# Altium PCB VM3300_V0.1.PcbDoc
Units mm, origin at the board's own origin, x right, y up, seen from the top; angles counter-clockwise.
Board outline 130.25 x 140.25 mm, 2 copper layers (Top Layer, Bottom Layer), stack 1.571 mm thick; 142 components, 93 nets, 442 pads, 76 vias.
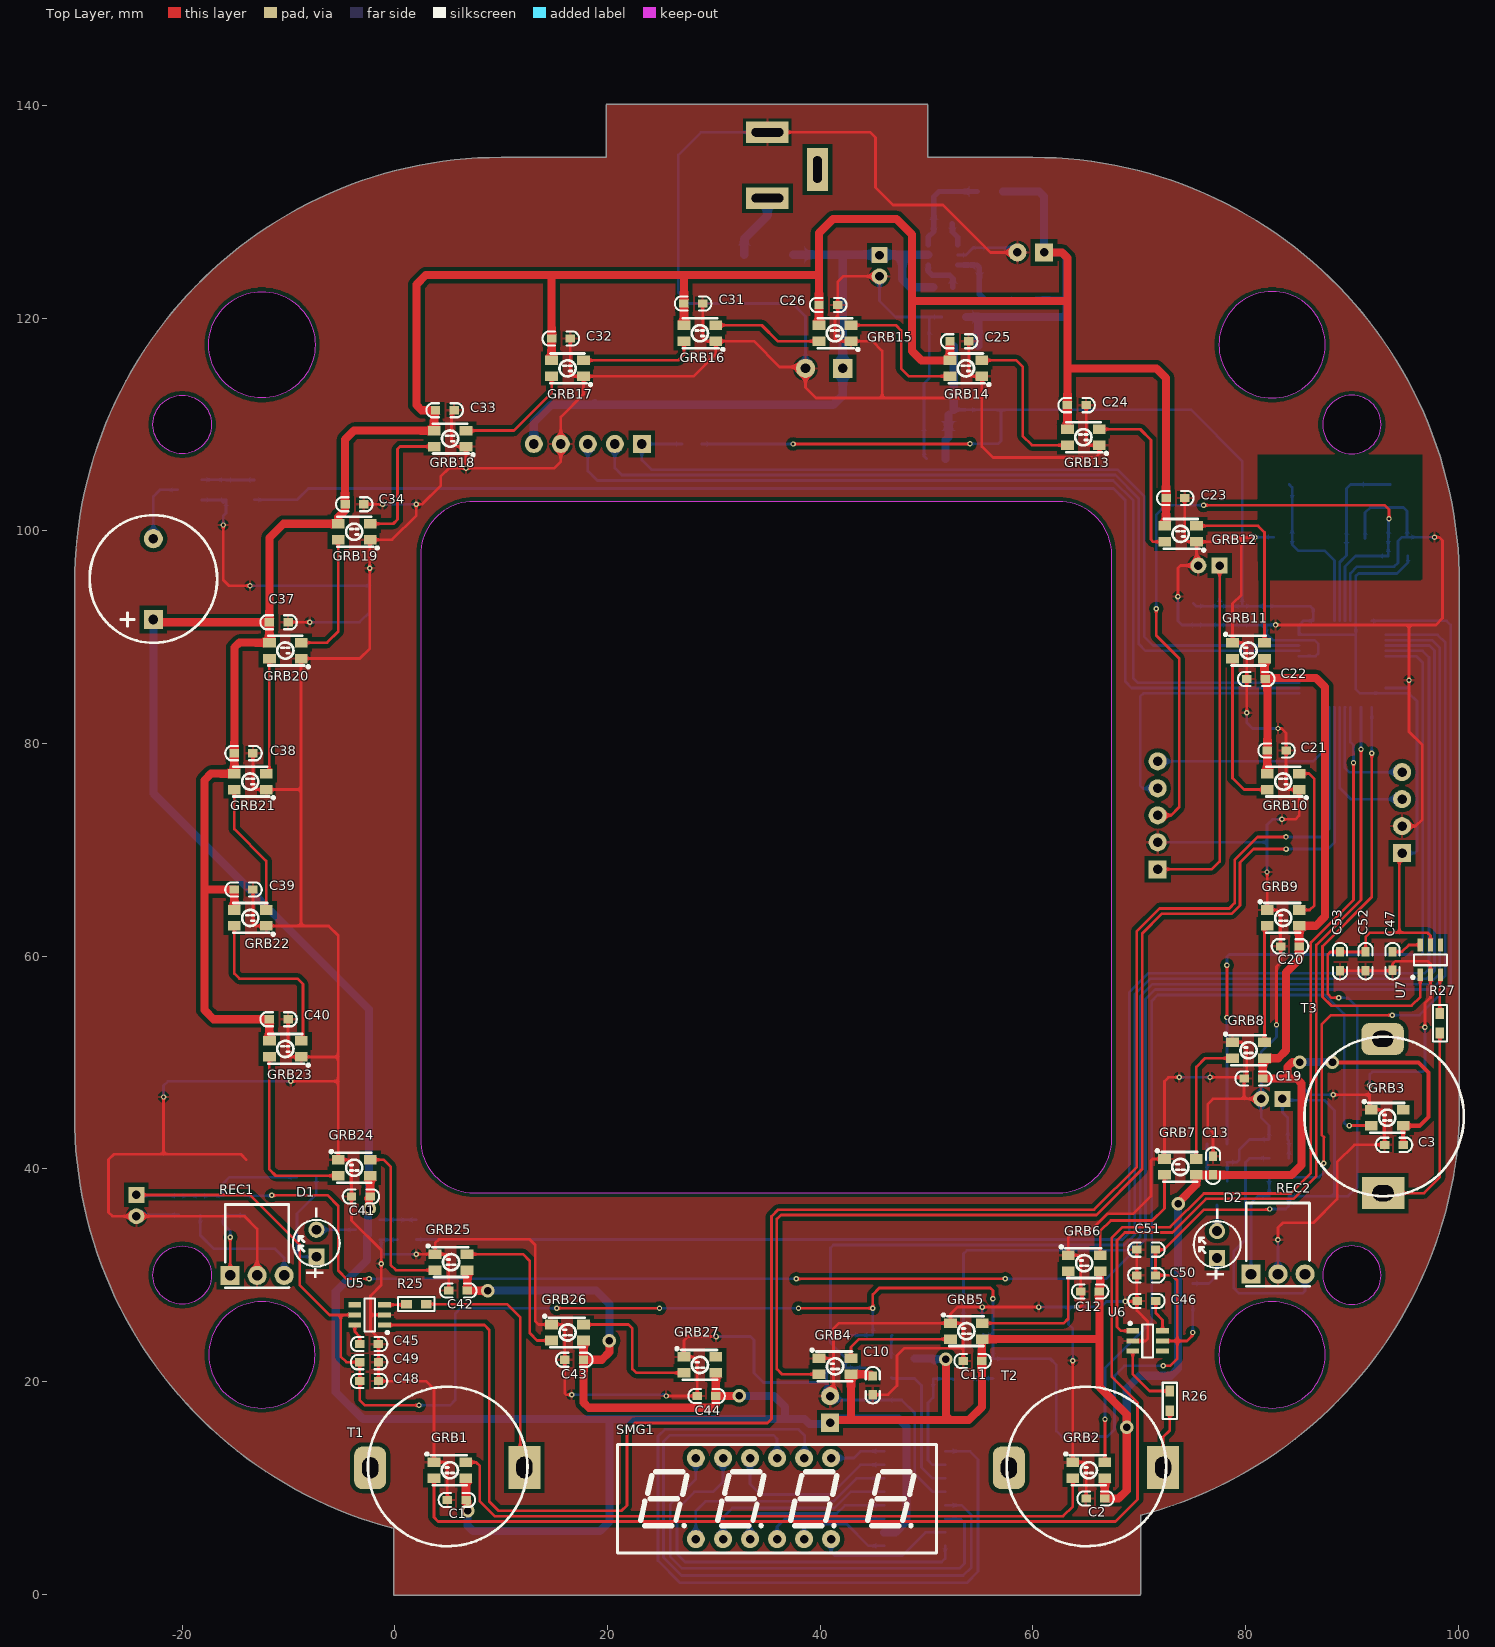
[diagram p0: Top Layer view]
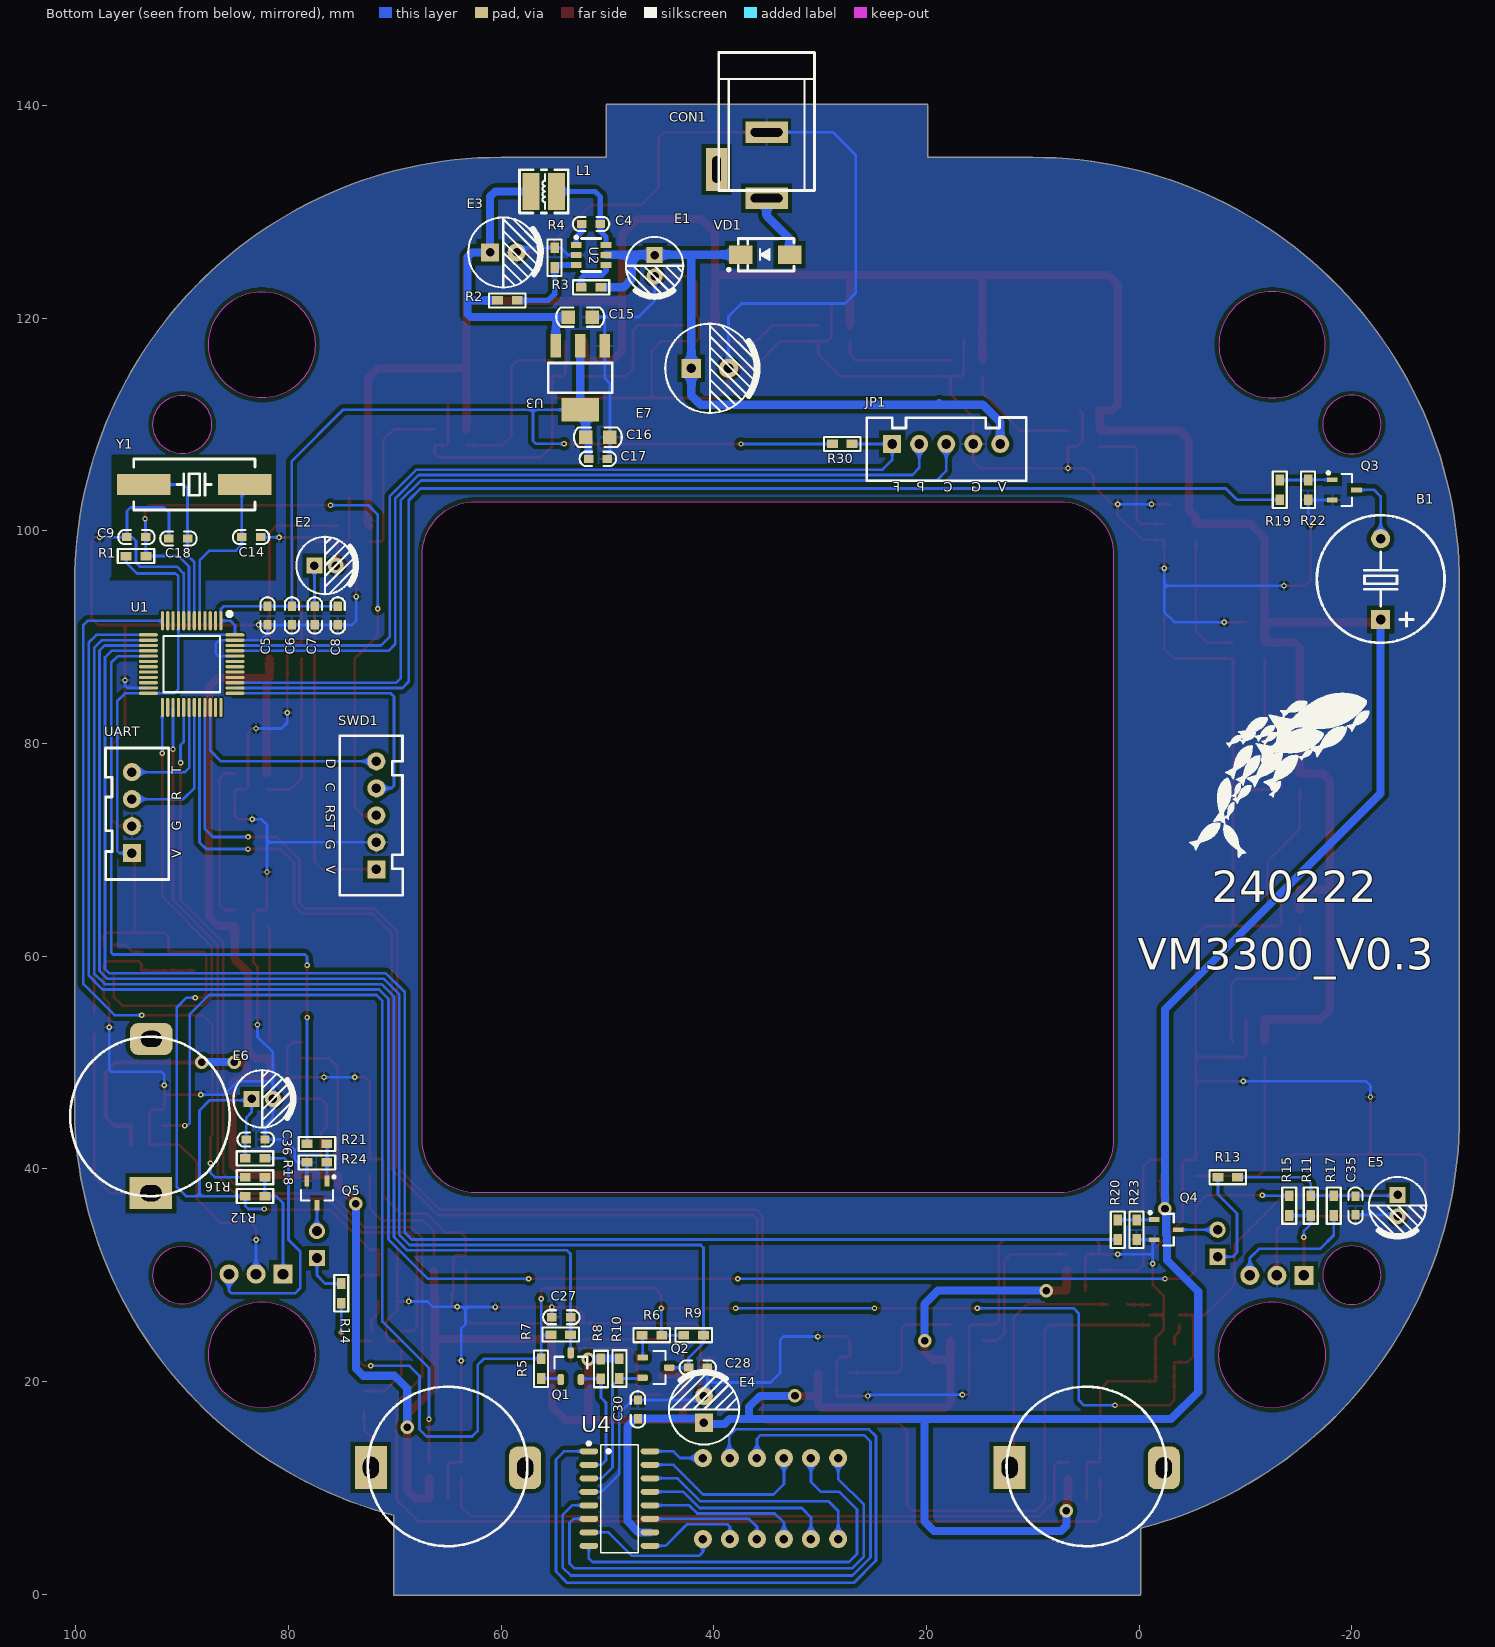
[diagram p1: Bottom Layer view, seen from below]
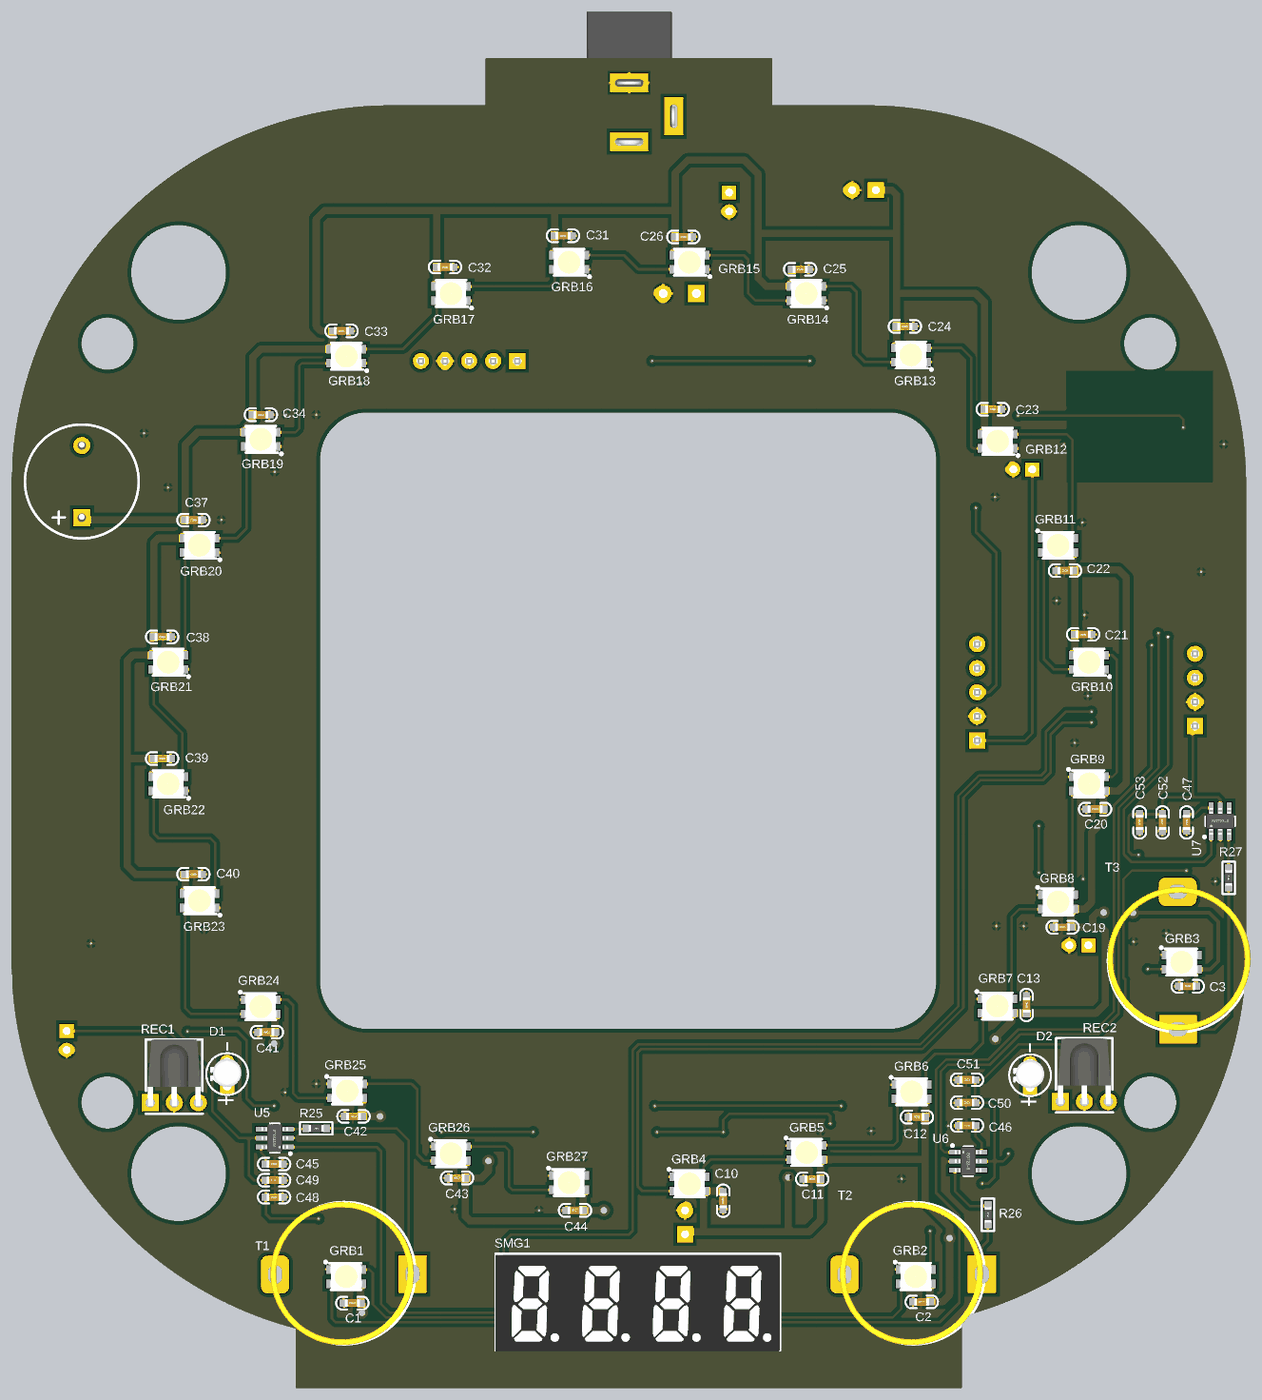
[diagram p2: 3D render of the assembled board from above, using the file's embedded part models]
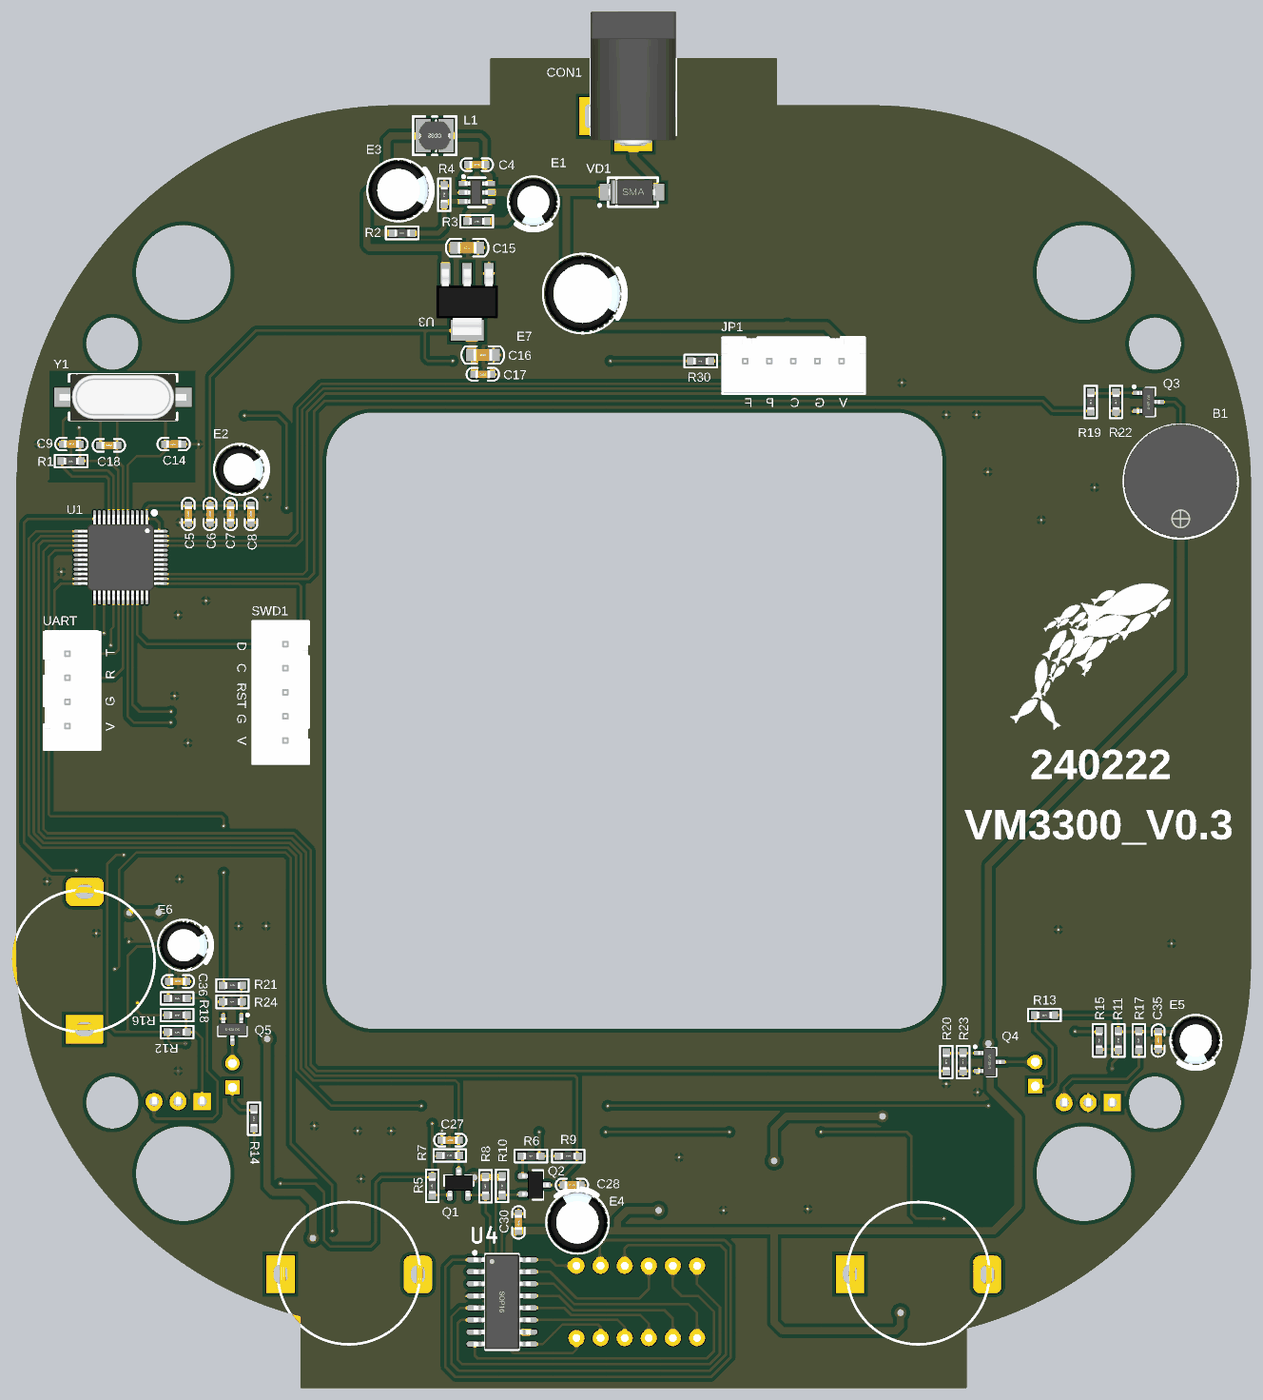
[diagram p3: 3D render of the assembled board from below, using the file's embedded part models]

## Layer stack, top to bottom
Top Solder: solder mask 0.0102, Solder Resist, Dk 3.5
Top Layer: signal copper 0.0356
Dielectric 1: dielectric 1.5, FR-4, Dk 4.8
Bottom Layer: signal copper 0.0356
Bottom Solder: solder mask 0.0102, Solder Resist, Dk 3.5

## Board outline
-0.127,6.172 cw(c10,45) -30.127,45 -30.127,95 cw(c10,95) 10,135.127 cw(c10,135) 10.001,135.127 19.873,135.127 19.873,140 cw(c20,140) 20,140.127 50,140.127 cw(c50,140) 50.127,140 50.127,135.127 60,135.127 cw(c60,95) 100.127,95 100.127,44.543 cw(c100,44.543) 100.127,44.537 cw(c60.037,46.268) 70.127,7.43 70.127,0 cw(c70,0) 70,-0.127 0,-0.127 cw(c0,0) -0.127,0
cut-out: 77.5,22.5 ccw(c82.5,22.5) 82.5,17.5 ccw(c82.5,22.5) 87.5,22.5 ccw(c82.5,22.5) 82.5,27.5 ccw(c82.5,22.5)
cut-out: 87.25,110 ccw(c90,110) 90,107.25 ccw(c90,110) 92.75,110 ccw(c90,110) 90,112.75 ccw(c90,110)
cut-out: 77.5,117.5 ccw(c82.5,117.5) 82.5,112.5 ccw(c82.5,117.5) 87.5,117.5 ccw(c82.5,117.5) 82.5,122.5 ccw(c82.5,117.5)
cut-out: 87.25,30 ccw(c90,30) 90,27.25 ccw(c90,30) 92.75,30 ccw(c90,30) 90,32.75 ccw(c90,30)
cut-out: -20,27.25 cw(c-20,30) -22.75,30 cw(c-20,30) -20,32.75 cw(c-20,30) -17.25,30 cw(c-20,30)
cut-out: 2.423,42.756 ccw(c7.423,42.756) 7.423,37.756 62.423,37.756 ccw(c62.423,42.756) 67.423,42.756 67.423,97.756 ccw(c62.423,97.756) 62.423,102.756 7.423,102.756 ccw(c7.423,97.756) 2.423,97.756
cut-out: -12.5,112.5 cw(c-12.5,117.5) -17.5,117.5 cw(c-12.5,117.5) -12.5,122.5 cw(c-12.5,117.5) -7.5,117.5 cw(c-12.5,117.5)
cut-out: -20,107.25 cw(c-20,110) -22.75,110 cw(c-20,110) -20,112.75 cw(c-20,110) -17.25,110 cw(c-20,110)
cut-out: -17.5,22.5 ccw(c-12.5,22.5) -12.5,17.5 ccw(c-12.5,22.5) -7.5,22.5 ccw(c-12.5,22.5) -12.5,27.5 ccw(c-12.5,22.5)

## Design rules (kind name [scope] priority, off if disabled: settings)
Clearance Clearance_1 [All vs HasFootprint('STM32F030C8T6')] p1: gap=0.178 ignorepadtopadclearanceinfootprint=FALSE
Clearance [All] p2: gap=0.178 ignorepadtopadclearanceinfootprint=FALSE
HoleSize [All] p1: absolutevalues=TRUE maxlimit=3.048 minlimit=0.025 maxpercent=80.000 minpercent=20.000
MinimumSolderMaskSliver [All] p1: minsoldermaskwidth=0.178
PolygonConnect [All] p1: connectstyle=Relief reliefconductorwidth=0.254 reliefentries=4 polygonreliefangle="90 Angle" airgapwidth=0.254
RoutingVias [All] p1: holewidth=0.254 width=0.508 viastyle="Through Hole" minholewidth=0.254 minwidth=0.508 maxholewidth=0.711 maxwidth=1.27
SilkToSolderMaskClearance [IsPad] p1: minsilkscreentomaskgap=0 clearancetoexposedcopper=TRUE
SolderMaskExpansion [All] p1: expansion=0.102
Width [All] p1: maxlimit=1 minlimit=0.254 preferedwidth=0.254 minimp=50.000000 maximp=50.000000 favimp=50.000000
27 further rules are at their usual default settings.

## Components (designator, comment, footprint, x,y, rotation, side; value= is the part's Value field where it differs from the comment)
B1 "DC5V" "BEEP 7.6x12x7.5" -22.725,95.47 r180 bottom
C1 "100nF" "C 0603" 5.828,8.856 r0 top
C2 "100nF" "C 0603" 65.899,8.983 r0 top
C3 "100nF" "C 0603" 93.966,42.257 r0 top
C4 "100nF" "C 0603" 51.548,128.871 r180 bottom
C5 "100nF" "C 0603" 81.977,92.041 r90 bottom
C6 "100nF" "C 0603" 79.691,92.041 r90 bottom
C7 "100nF" "C 0603" 77.532,92.041 r90 bottom
C8 "100nF" "C 0603" 75.373,92.041 r90 bottom
C9 "100nF" "C 0603" 94.309,99.407 r180 bottom
C10 "100nF" "C 0603" 44.944,19.651 r90 top
C11 "100nF" "C 0603" 54.342,21.937 r0 top
C12 "100nF" "C 0603" 65.391,28.469 r0 top
C13 "100nF" "C 0603" 76.948,40.284 r270 top
C14 "22pF" "C 0603" 83.524,99.407 r0 bottom
C15 "10uF/16V" "C 0805" 52.564,120.108 r0 bottom
C16 "10uF/16V" "C 0805" 50.913,108.805 r0 bottom
C17 "100nF" "C 0603" 50.913,106.773 r0 bottom
C18 "22pF" "C 0603" 90.359,99.28 r180 bottom
C19 "100nF" "C 0603" 80.758,48.48 r0 top
C20 "100nF" "C 0603" 84.187,60.926 r0 top
C21 "100nF" "C 0603" 82.929,79.341 r180 top
C22 "100nF" "C 0603" 81.012,86.072 r0 top
C23 "100nF" "C 0603" 73.392,103.09 r180 top
C24 "100nF" "C 0603" 64.121,111.817 r180 top
C25 "100nF" "C 0603" 53.072,117.834 r180 top
C26 "100nF" "C 0603" 40.753,121.251 r180 top
C27 "100pF" "C 0603" 54.342,26.036 r180 bottom
C28 "100pF" "C 0603" 41.515,21.302 r0 bottom
C30 "100nF" "C 0603" 47.151,17.365 r270 bottom
C31 "100nF" "C 0603" 28.053,121.378 r180 top
C32 "100nF" "C 0603" 15.607,118.076 r180 top
C33 "100nF" "C 0603" 4.685,111.345 r180 top
C34 "100nF" "C 0603" -3.824,102.5 r180 top
C35 "100nF" "C 0603" -20.341,36.542 r270 bottom
C36 "100nF" "C 0603" 83.08,42.765 r180 bottom
C37 "100nF" "C 0603" -10.936,91.406 r180 top locked
C38 "100nF" "C 0603" -14.238,79.087 r180 top locked
C39 "100nF" "C 0603" -14.238,66.26 r180 top
C40 "100nF" "C 0603" -10.936,54.068 r180 top
C41 "100nF" "C 0603" -3.189,37.405 r0 top
C42 "100nF" "C 0603" 5.955,28.541 r0 top
C43 "100nF" "C 0603" 16.877,22.038 r0 top
C44 "100nF" "C 0603" 29.323,18.635 r0 top
C45 "10nF" "C 0603" -2.427,23.508 r0 top
C46 "10nF" "C 0603" 70.674,27.576 r180 top
C47 "10nF" "C 0603" 93.839,59.529 r270 top
C48 "100nF" "C 0603" -2.427,20.032 r180 top
C49 "1uF" "C 0603" -2.427,21.81 r180 top
C50 "100nF" "C 0603" 70.674,29.981 r0 top
C51 "1uF" "C 0603" 70.674,32.394 r0 top
C52 "100nF" "C 0603" 91.299,59.529 r90 top
C53 "1uF" "C 0603" 88.886,59.529 r90 top
CON1 "3.5*1.3" DC-005 35.038,137.484 r90 bottom locked
D1 "HC-F3-C06A" HC-F3-C06A -7.253,33 r90 top locked
D2 "HC-F3-C06A" HC-F3-C06A 77.456,32.873 r90 top locked
E1 "100uF/25V" "CAP 2.0*5*11 - BK" 45.579,124.934 r270 bottom
E2 "100uF/16V" "CAP 2.0*5*11 - BK" 76.567,96.74 r180 bottom
E3 "470uF/10V" "CAP 2.5*6.3*11.2 - BK" 59.803,126.184 r180 bottom
E4 "470uF/10V" "CAP 2.5*6.3*11.2 - BK" 40.928,17.365 r90 bottom
E5 "100uF/16V" "CAP 2.0*5*11 - BK" -24.306,36.542 r270 bottom
E6 "100uF/16V" "CAP 2.0*5*11 - BK" 82.473,46.575 r180 bottom
E7 "220uF/35V" "CAP 3.5*8*11.5 - BK" 40.372,115.282 r180 bottom
GRB1 "WS2812B" WS2812B-3528 5.171,11.65 r180 top locked
GRB2 "WS2812B" WS2812B-3528 65.264,11.65 r180 top locked
GRB3 "WS2812B" WS2812B-3528 93.331,44.797 r180 top locked
GRB4 "WS2812B" WS2812B-3528 41.396,21.419 r180 top locked
GRB5 "WS2812B" WS2812B-3528 53.751,24.73 r180 top locked
GRB6 "WS2812B" WS2812B-3528 64.829,31.126 r180 top locked
GRB7 "WS2812B" WS2812B-3528 73.874,40.171 r180 top locked
GRB8 "WS2812B" WS2812B-3528 80.284,51.147 r180 top locked
GRB9 "WS2812B" WS2812B-3528 83.552,63.593 r180 top locked
GRB10 "WS2812B" WS2812B-3528 83.552,76.42 r0 top
GRB11 "WS2812B" WS2812B-3528 80.284,88.739 r180 top locked
GRB12 "WS2812B" WS2812B-3528 73.9,99.716 r0 top
GRB13 "WS2812B" WS2812B-3528 64.756,108.805 r0 top
GRB14 "WS2812B" WS2812B-3528 53.707,115.284 r0 top
GRB15 "WS2812B" WS2812B-3528 41.388,118.584 r0 top
GRB16 "WS2812B" WS2812B-3528 28.688,118.584 r0 top
GRB17 "WS2812B" WS2812B-3528 16.242,115.282 r0 top locked
GRB18 "WS2812B" WS2812B-3528 5.193,108.678 r0 top
GRB19 "WS2812B" WS2812B-3528 -3.824,99.915 r0 top
GRB20 "WS2812B" WS2812B-3528 -10.301,88.739 r0 top locked
GRB21 "WS2812B" WS2812B-3528 -13.603,76.42 r0 top locked
GRB22 "WS2812B" WS2812B-3528 -13.603,63.593 r0 top
GRB23 "WS2812B" WS2812B-3528 -10.301,51.274 r0 top
GRB24 "WS2812B" WS2812B-3528 -3.824,40.098 r180 top locked
GRB25 "WS2812B" WS2812B-3528 5.284,31.219 r180 top locked
GRB26 "WS2812B" WS2812B-3528 16.242,24.604 r180 top locked
GRB27 "WS2812B" WS2812B-3528 28.688,21.556 r180 top locked
JP1 "HDR-1X5" XH2.54-5P 23.227,108.17 r180 bottom
L1 "4.7uH" CD32 55.993,131.919 r0 bottom
Q1 "AO3400A" SOT23-3 53.453,21.429 r90 bottom
Q2 "AO3400A" SOT23-3 45.452,21.302 r180 bottom
Q3 "S8050" SOT23-3L -19.318,103.852 r270 bottom
Q4 "SS8050" SOT23-3L -2.554,34.27 r270 bottom
Q5 "SS8050" SOT23-3L 77.329,37.714 r0 bottom
R1 "10K" "R 0603" 94.347,97.629 r0 bottom
R2 "27K" "R 0603" 59.422,121.666 r0 bottom
R3 "100K" "R 0603" 51.548,122.902 r0 bottom
R4 "5.1K" "R 0603" 54.977,125.696 r270 bottom
R5 "2K" "R 0603" 56.247,21.206 r90 bottom
R6 "2K" "R 0603" 45.833,24.35 r180 bottom
R7 "10K" "R 0603" 54.403,24.413 r0 bottom
R8 "10K" "R 0603" 50.621,21.175 r90 bottom
R9 "10K" "R 0603" 41.896,24.35 r0 bottom
R10 "10K" "R 0603" 48.881,21.213 r90 bottom
R11 "36K" "R 0603" -16.143,36.542 r90 bottom
R12 "36K" "R 0603" 83.153,37.431 r0 bottom
R13 "2.4K" "R 0603" -8.334,39.209 r0 bottom
R14 "2.4K" "R 0603" 75.043,28.287 r90 bottom
R15 "1K" "R 0603" -14.111,36.542 r90 bottom
R16 "1K" "R 0603" 83.153,39.209 r0 bottom
R17 "100R" "R 0603" -18.302,36.542 r90 bottom
R18 "100R" "R 0603" 83.153,40.986 r0 bottom
R19 "1K" "R 0603" -13.222,103.852 r90 bottom
R20 "10K" "R 0603" 2.018,34.27 r90 bottom
R21 "10K" "R 0603" 77.329,42.336 r180 bottom
R22 "10K" "R 0603" -15.889,103.852 r90 bottom
R23 "4.7K" "R 0603" 0.24,34.27 r90 bottom
R24 "4.7K" "R 0603" 77.329,40.606 r180 bottom
R25 "1K" "R 0603" 2.018,27.271 r180 top
R26 "1K" "R 0603" 72.884,18.17 r90 top
R27 "1K" "R 0603" 98.284,53.687 r90 top
R30 "4.7K" "R 0603" 27.926,108.17 r0 bottom
REC1 "HC-1538LD" HC-1538LD-W -12.954,28.575 r0 top
REC2 "HC-1538LD" HC-1538LD-W 83.058,28.702 r0 top
SMG1 "2843A" "SMG 0.28_4P_JOANLAB" 20.947,14.063 r0 top
SWD1 "HDR-1X5" SWD_JOANLAB 71.741,78.325 r270 bottom
T1 "TH_Touch" TH_Touch -1.357,11.968 r90 top locked
T2 "TH_Touch" TH_Touch 58.714,11.968 r90 top locked
T3 "TH_Touch" TH_Touch 93,51.249 r0 top locked
U1 "STM32F030C8T6" STM32F030C8T6 89.114,87.469 r0 bottom
U2 "ME3116AM6G" ME3116AM6G 51.548,125.95 r180 bottom
U3 "AMS1117-3.3" AMS1117-3.3 52.564,114.393 r90 bottom
U4 "TM1650" TM1650 48.881,8.856 r180 bottom
U5 "TK8021" TK8021 -2.366,26.255 r90 top
U6 "TK8021" TK8021 70.801,23.809 r270 top
U7 "TK8021" TK8021 97.395,59.656 r0 top
UART "HDR-1X4" XH2.54-4P 94.728,69.689 r90 bottom
VD1 "SS34" SMA 35.165,125.97 r0 bottom
Y1 "8MHz" "XTAL-49S SMD" 88.864,104.36 r180 bottom

## Footprints (in the part's own frame and the unit in brackets; to place one, negate y for a bottom-side part, rotate by r counter-clockwise, add the part's x,y. Pads: shape width x height; smd on the part's side, far side on the other; paste and mask are expansions set on the pad)
AMS1117-3.3 [mm]
  rect 2.2x1 smd: 1(3,-2.3) 2(3,0) 3(3,2.3)
  rect 2.2x3.5 smd: 2(-3,0)
  silkscreen extent -1.4,-3 1.4,3, body extent -3.49,-3.24 3.49,3.24, height 1.64
"BEEP 7.6x12x7.5" [mm] "6.5*12*7.5mm(脚距,直径,高度)"
  rect 1.8x1.8 hole 0.9: 1(-0.011,-3.811)
  round 1.8 hole 0.9: 2(-0.011,3.789)
  silkscreen extent -6.01,-6 5.99,6, body extent -6.01,-5.93 5.99,6.07, height 7.55
"C 0603" [mil] "无极性贴片电容"
  rect 35x30 smd: 1(-35,0) 2(34,0)
  silkscreen extent -67,-26 67,26, body extent -31,-16 31,16, height 32
"C 0805" [mil] "无极性贴片电容"
  rect 50x50 smd: 1(-45,0) 2(45,0)
  silkscreen extent -89,-36 89,36, body extent -39,-24 39,24, height 20
"CAP 2.0*5*11 - BK" [mm] "脚距2mm直径5mm高度11mm"
  rect 1.5x1.5 hole 0.8: 1(-1,0)
  round 1.5 hole 0.8: 2(1,0)
  silkscreen extent -2.7,-2.7 2.96,2.7, body extent -2.5,-2.5 2.51,2.5, height 11.04
"CAP 2.5*6.3*11.2 - BK" [mm] "脚距2.5mm直径6.3mm高度11.2mm"
  rect 1.7x1.7 hole 0.8: 1(-1.25,0)
  round 1.7 hole 0.8: 2(1.25,0)
  silkscreen extent -3.3,-3.3 3.56,3.3, body extent -3.15,-3.15 3.16,3.15, height 11.24
"CAP 3.5*8*11.5 - BK" [mm] "脚距3.5mm直径8mm高度11.5mm"
  rect 1.8x1.8 hole 0.9: 1(-1.75,0)
  round 1.8 hole 0.9: 2(1.75,0)
  silkscreen extent -4.2,-4.2 4.5,4.2, body extent -4,-4 4.01,4, height 11.54
CD32 [mm] "3.5*3*2mm（长宽高）"
  rect 1.6x3.5 smd: 1(-1.2,0) 2(1.2,0)
  silkscreen extent -2.29,-2.03 2.29,2.03, body extent -1.71,-1.5 1.71,1.5, height 2.15
DC-005 [mm] "5.5*2.1mm，DC30V,2.5A"
  rect 2x4 hole 0.8 slot 3 at 90 deg: 1(-6.2,0) 2(0,0)
  rect 4x2 hole 0.8 slot 2.5 at 0 deg: 3(-3.5,4.7)
  silkscreen extent -5.48,-4.5 7.5,4.5, body extent -6.55,-4.5 7.5,4.8, height 11.2
HC-1538LD-W [mm] "红外接收管卧"
  rect 1.8x1.8 hole 1: 1(-2.54,1.397)
  round 1.8 hole 1: 2(0,1.397) 3(2.54,1.397)
  silkscreen extent -3,0.25 3,8.07, body extent -2.81,1.07 2.79,8.07, height 3.67
HC-F3-C06A [mil] "红外发射管"
  rect 60x60 hole 36: 1(-50,5)
  round 60 hole 36: 2(50,5)
  silkscreen extent -128,-82 132,92, body extent -71,-71 67,81, height 59
ME3116AM6G [mm] "SOT-23-6"
  rect 1x0.55 smd: 1(-1.4,0.95) 2(-1.4,0) 3(-1.4,-0.95) 4(1.4,-0.95) 5(1.4,0) 6(1.4,0.95)
  silkscreen extent -1.52,-1.55 0.9,1.78, body extent -1.27,-1.4 1.16,1.4, height 1.09
"R 0603" [mil] "1/10W贴片电阻"
  rect 40x31.5 smd: 1(-36.5,0) 2(36.5,0)
  silkscreen extent -68,-26 68,26, body extent -31,-16 31,16, height 16
SMA [mm] "4.5x2.6*2.2mm（长宽高，不包括引脚）"
  rect 2.2x1.75 smd: 1(-2.3,0) 2(2.3,0)
  silkscreen extent -2.7,-1.52 3.56,1.52, body extent -2.52,-1.3 2.57,1.3, height 2.15
"SMG 0.28_4P_JOANLAB" [mm] "30*10.2*6mm(长宽厚)"
  round 1.7 hole 0.8: 1(7.36,-8.89) 2(9.92,-8.89) 3(12.46,-8.89) 4(15,-8.89) 5(17.54,-8.89) 6(20.08,-8.89) 7(20.08,-1.27) 8(17.54,-1.27) 9(15,-1.27) 10(12.46,-1.27) 11(9.92,-1.27) 12(7.36,-1.27)
  silkscreen extent 0,-10.2 30,0, body extent 0,-10.3 30,-0.1, height 4.2
SOT23-3 [mm] "SOT23, 3-Leads, Body 3.1x3.0mm (max), Pitch 0.95mm, IPC Medium Density"
  rrect50% 1x0.6 smd: 1(-1.246,0.95) 2(-1.246,-0.95) 3(1.246,0)
  silkscreen extent -0.2,-1.55 0.9,1.55, body extent -1.3,-1.45 1.5,1.45, height 1.2
SOT23-3L [mm] "3x1.3x1mm(长宽高)"
  rect 0.45x1 smd: 1(-0.95,-1.143) 2(0.95,-1.143) 3(0,1.125)
  silkscreen extent -1.72,-1.65 1.5,0.7, body extent -1.5,-1.2 1.5,1.2, height 1.05
STM32F030C8T6 [mm]
  oval 0.3x1.8 smd: 1(-2.75,-4.073) 2(-2.25,-4.073) 3(-1.75,-4.073) 4(-1.25,-4.073) 5(-0.75,-4.073) 6(-0.25,-4.073) 7(0.25,-4.073) 8(0.75,-4.073) 9(1.25,-4.073) 10(1.75,-4.073) 11(2.25,-4.073) 12(2.75,-4.073) 25(2.75,4.073) 26(2.25,4.073) 27(1.75,4.073) 28(1.25,4.073) 29(0.75,4.073) 30(0.25,4.073) 31(-0.25,4.073) 32(-0.75,4.073) 33(-1.25,4.073) 34(-1.75,4.073) 35(-2.25,4.073) 36(-2.75,4.073)
  oval 1.8x0.3 smd: 13(4.073,-2.75) 14(4.073,-2.25) 15(4.073,-1.75) 16(4.073,-1.25) 17(4.073,-0.75) 18(4.073,-0.25) 19(4.073,0.25) 20(4.073,0.75) 21(4.073,1.25) 22(4.073,1.75) 23(4.073,2.25) 24(4.073,2.75) 37(-4.073,2.75) 38(-4.073,2.25) 39(-4.073,1.75) 40(-4.073,1.25) 41(-4.073,0.75) 42(-4.073,0.25) 43(-4.073,-0.25) 44(-4.073,-0.75) 45(-4.073,-1.25) 46(-4.073,-1.75) 47(-4.073,-2.25) 48(-4.073,-2.75)
  silkscreen extent -3.68,-4.83 2.65,2.65, body extent -4.5,-4.5 4.5,4.5, height 1.05